# Altium PCB DM1097_R2M0E2.PcbDoc (part 4 of 7)
Units mm, origin at the board's own origin, x right, y up, seen from the top; angles counter-clockwise.
Board outline 110 x 60 mm, 6 copper layers (Top Copper, GND 1, PWR, Signal Layer 1, GND 2, Bottom Copper), stack 1.597 mm thick; 274 components, 266 nets, 1212 pads, 803 vias.
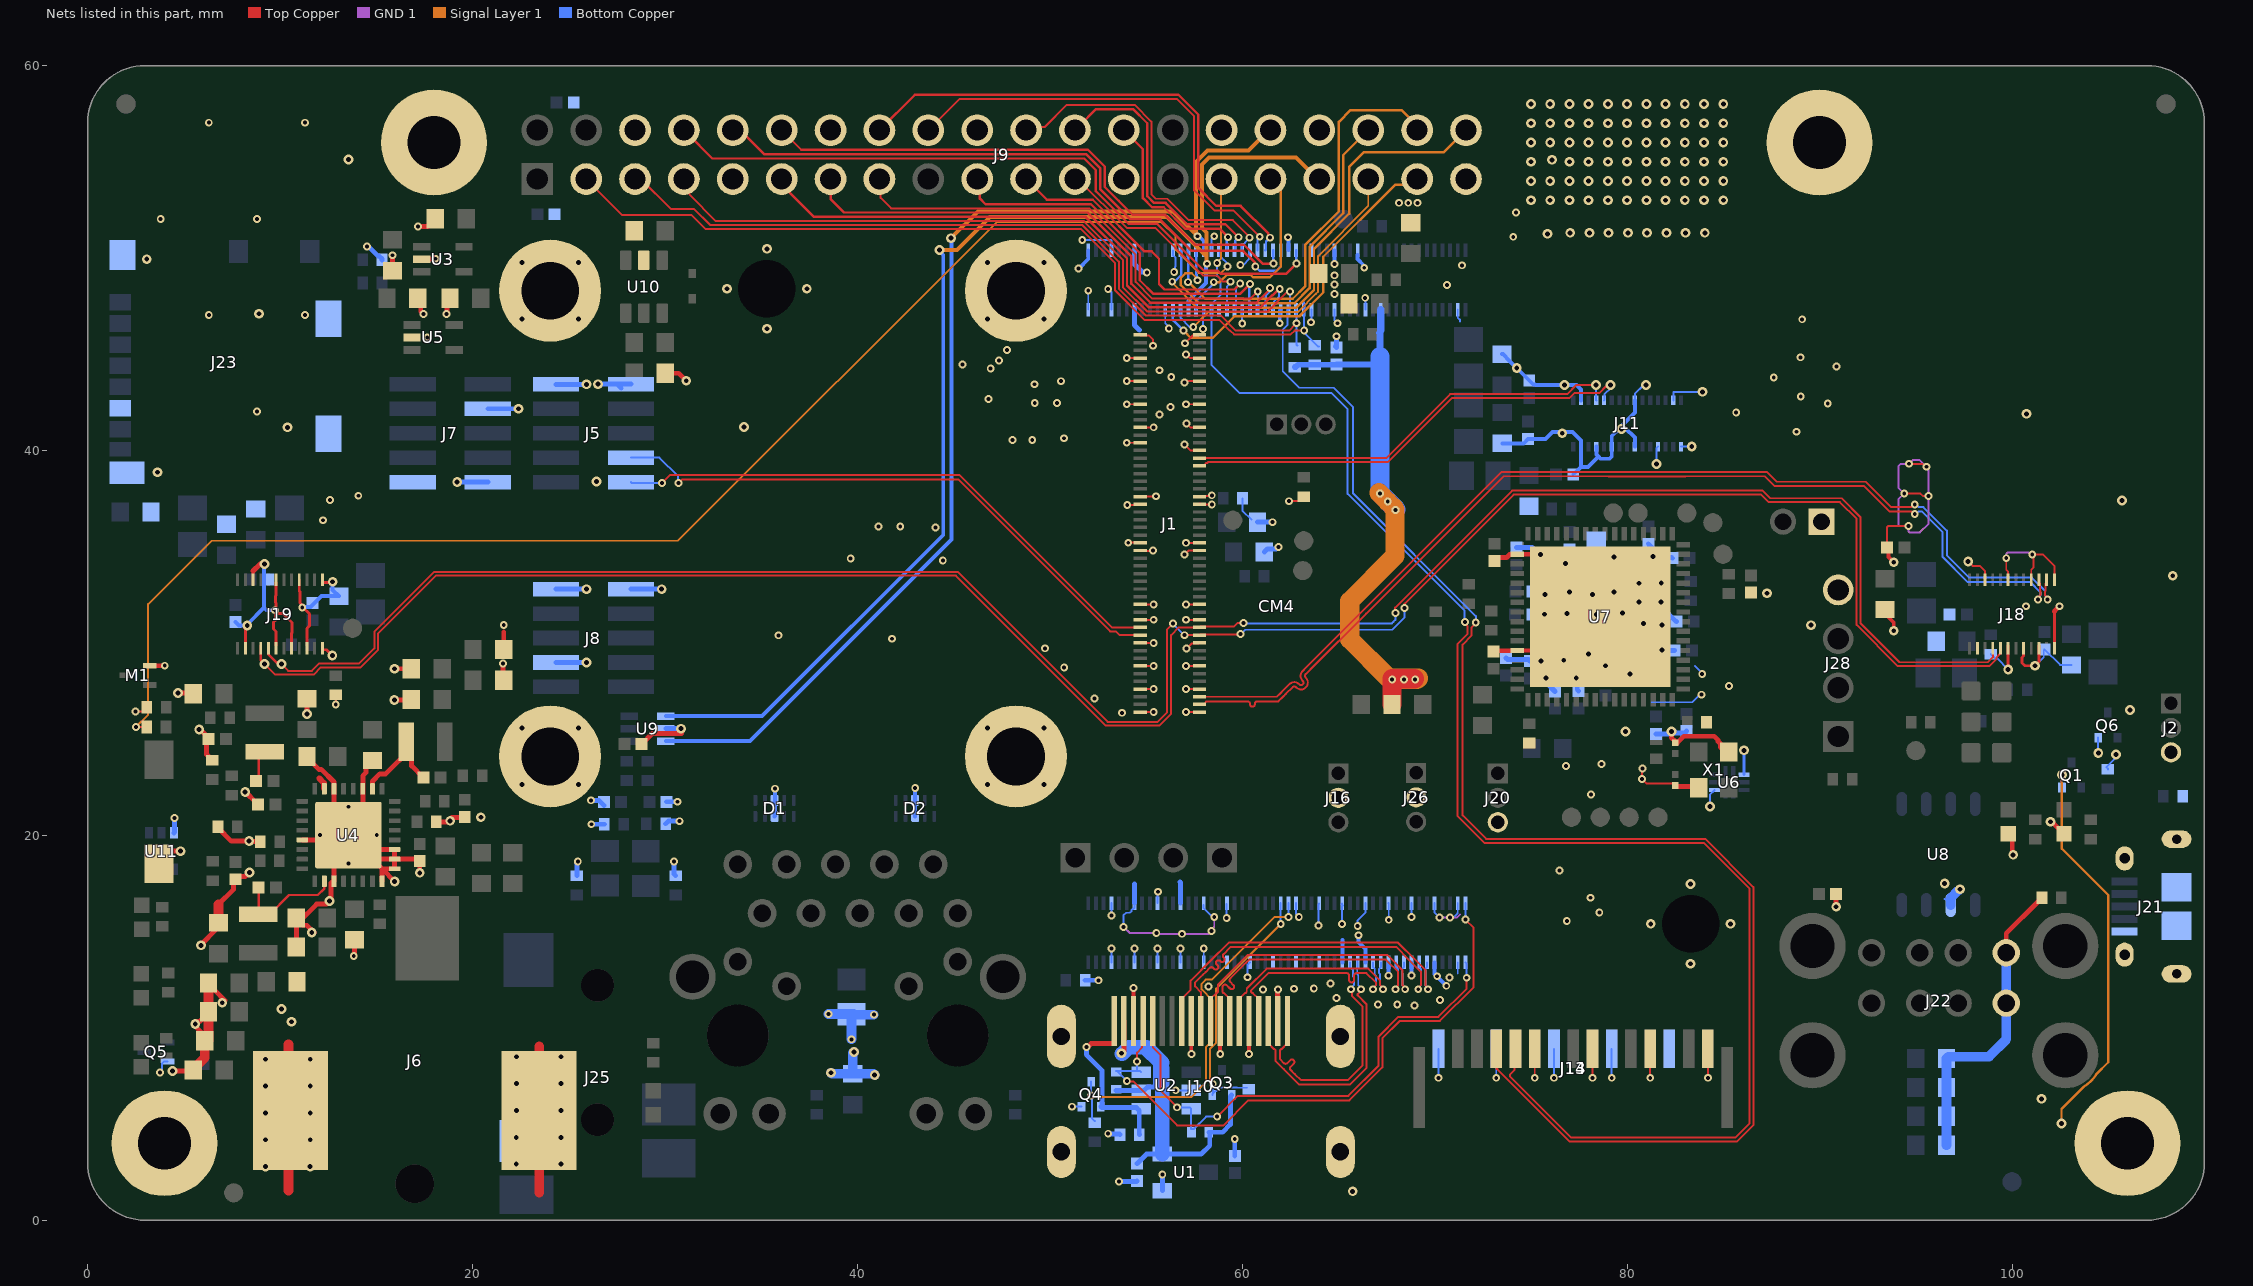
[diagram p8: the nets of this part, all layers, seen from the top]

## Via types
v1: diameter 0.406, hole 0.203, Top Copper to Bottom Copper, tented both sides, 442 vias
v2: diameter 0.508, hole 0.254, Top Copper to Bottom Copper, tented both sides, 361 vias

## Nets (pads, with @x,y where several pads share a name; then routed paths per layer and width w, separated by ;. In a path a pad name is that pad's centre, name@x,y a point inside that pad or via, vN(x,y) a via of type N, cw(c..) or ccw(c..) an arc to the next point about the centre after c; other vN are vias at no path point) (continued)
GND: B1.1 C6.1 C7.1 C8.1 C9.1 C10.1 C11.1 C12.1 C13.1 C14.1 C15.1 C16.1 C17.1 C18.2 C19.2 C20.2 C21.1 C22.1 C23.1 C24.1 C25.1 C27.2 C29.1 C30.2 C31.1 C32.1 C33.1 C34.1 C35.1 C36.1 C37.1 C38.1 C39.2 C40.1 C41.2 C42.2 C43.2 C44.1 C45.2 C47.2 C48.2 C49.2 C50.1 C51.2 C52.2 C54.2 C55.2 C56.2 C57.2 C58.1 C59.2 C60.2 C61.1 C62.1 C63.1 C64.1 C65.1 C66.1 C67.1 C68.1 C69.1 C70.1 C71.1 C72.1 C73.1 C74.1 C75.1 C76.1 C77.1 C78.1 C79.2 C80.2 C81.2 C82.2 C83.1 C84.1 C85.1 C86.1 C87.1 C89.2 C91.2 C92.2 C94.1 C95.1 C97.1 C126.2 C127.2 CM4.1 CM4.2 CM4.7 CM4.8 CM4.13 CM4.14 CM4.22 CM4.23 CM4.32 CM4.33 CM4.42 CM4.43 CM4.52 CM4.53 CM4.59 CM4.60 CM4.65 CM4.66 CM4.71 CM4.74 CM4.98 CM4.107 CM4.108 CM4.113 CM4.114 CM4.119 CM4.120 CM4.125 CM4.126 CM4.131 CM4.132 CM4.137 CM4.138 CM4.144 CM4.150 CM4.155 CM4.156 CM4.161 CM4.162 CM4.167 CM4.168 CM4.173 CM4.174 CM4.179 CM4.180 CM4.185 CM4.186 CM4.191 CM4.192 CM4.197 CM4.198 D1.3 D1.8 D2.3 D2.8 D10.1 D11.1 J1.1 J1.2 J1.7 J1.8 J1.13 J1.14 J1.19 J1.20 J1.25 J1.26 J1.30 J1.31 J1.43 J1.44 J1.45 J1.46 J1.55 J1.56 J1.57 J1.58 J1.71 J1.72 J1.75 J1.76 J1.81 J1.82 J1.87 J1.88 J1.93 J1.94 J1.99 J1.100 J2.3 J5.9 J5.10 J6.2 J6.3 J7.3 J7.9 J7.10 J8.3 J8.9 J8.10 J9.6 J9.9 J9.14 J9.20 J9.25 J9.30 J9.34 J9.39 J10.2 J10.5 J10.8 J10.11 J10.17 J10.20 J10.21 J10.22 J10.23 J11.1 J11.4 J11.7 J11.10 J11.12 J11.14 J11.17 J11.24 J11.29 J13.P3 J13.P6 J13.P9 J13.P12 J13.P15 J14.P6 J14.P9 J14.P12 J14.P15 J15.P1 J16.2 J18.3 J18.6 J18.9 J18.12 J18.13 J18.15 J18.17 J18.19 J18.23 J19.3 J19.6 J19.9 J19.12 J19.13 J19.15 J19.17 J19.19 J19.23 J20.3 J21.5 J21.6 J21.7 J21.8 J21.9 J21.10 J21.11 J22.4 J22.8 J23.6 J23.11 J23.12 J23.13 J23.14 J25.4 J26.2 J28.4 M1.2 MTG1.1 MTG2.1 MTG3.1 MTG4.1 MTG5.1 MTG6.1 MTG7.1 MTG8.1 MTG9.1 MTG10.1 Q1.2 Q4.2 Q5.2 Q6.2 R2.1 R7.1 R9.1 R11.1 R15.1 R21.1 R25.1 R28.2 R33.2 R35.2 R39.1 R42.1 R43.1 R44.1 R48.1 R53.1 R61.1 R64.1 R69.1 R70.1 R72.1 R73.1 R75.1 U1.1 U2.2 U3.2 U4. U4.1 U4.2 U4.3 U4.11 U4.14 U4.21 U4.27 U4.32 U4.33 U5.2 U6.3 U6.8 U7.34 U7.44 U7.65 U8.6 U9.2 U10.2 U11.3 X1.2 X1.4 | length 387.6
  Top Copper w0.102: v1(2.486,26.442) 3.031,26.442 R75.1@3.081,26.492 ; v2@4.588,27.214 4.774,27.4 v2(4.7,27.4) ; v1(12.9,26.8) R35.2@12.9,27.3 ; R35.2@12.95,27.3 R35.2@13.174,27.076 ; v1(54,40.4) J1.30@54.7,40.4 ; v1(54,42.4) J1.20@54.7,42.4 ; v1(54,43.6) J1.14@54.7,43.6 ; v1(54,44.8) J1.8@54.7,44.8 ; v1(54.026,37.16) 54.66,37.16 J1.46@54.7,37.2 ; v1(54.077,35.204) 54.696,35.204 J1.56@54.7,35.2 ; J1.100@54.7,26.4 v1(55.4,26.4) ; J1.94@54.7,27.6 v1(55.4,27.6) ; J1.88@54.7,28.8 v1(55.4,28.8) ; J1.82@54.7,30 v1(55.4,30) ; J1.76@54.7,31.2 v1(55.4,31.2) ; J1.72@54.7,32 v1(55.4,32) ; J1.58@54.7,34.8 54.726,34.774 55.348,34.774 v1(55.372,34.798) ; J1.44@54.7,37.6 54.717,37.617 v1(55.524,37.617) ; J1.26@54.7,41.2 v1(55.4,41.2) ; J1.2@54.7,46 54.717,45.983 55.135,45.983 55.372,45.745 v1(55.372,45.441) ; v1(56.998,43.536) 57.08,43.536 57.144,43.6 J1.13@57.78,43.6 ; v1(57,34.6) 57.012,34.6 57.212,34.8 J1.57@57.78,34.8 ; v1(57,40.3) 57.3,40 J1.31@57.78,40 ; v1(57.023,45.568) 57.416,45.961 57.741,45.961 J1.1@57.78,46 ; v1(57.074,44.983) 57.1,44.983 57.278,44.806 57.774,44.806 J1.7@57.78,44.8 ; v1(57.08,26.4) J1.99@57.78,26.4 ; v1(57.08,27.6) J1.93@57.78,27.6 ; v1(57.08,28.8) J1.87@57.78,28.8 ; v1(57.08,31.2) J1.75@57.78,31.2 ; v1(57.08,32) J1.71@57.78,32 ; v1(57.08,35.2) J1.55@57.78,35.2 ; v1(57.08,42.4) J1.19@57.78,42.4 ; v1(57.1,29.7) 57.364,29.964 57.744,29.964 J1.81@57.78,30 ; v1(57.1,41.4) 57.3,41.2 J1.25@57.78,41.2 ; J1.45@57.78,37.2 57.816,37.236 57.867,37.186 v1(58.42,37.186) ; J1.43@57.78,37.6 57.804,37.624 58.376,37.624 v1(58.42,37.668) ; v1(62.433,37.363) R28.2@62.986,37.363 ; v1(75.2,7.4) J14.P6@75.2,8.9 ; U7.65@75.36,29.606 77.132,31.378 U7.65@78.622,31.378 ; v1(78.2,7.4) J14.P9@78.2,8.9 ; v1@80.775,22.885 v1(80.775,22.924) ; v1@80.775,23.269 v1(80.775,22.924) ; v1(81.2,7.4) J14.P12@81.2,8.9 ; C86.1@82.5,22.54 82.34,22.7 80.999,22.7 v1(80.775,22.924) ; v1(84.2,7.4) J14.P15@84.2,8.9 ; C32.1@93.509,34.966 93.509,36.016 93.569,36.075 v1(94.621,36.075) ; v1(94.4,37.759) 95.244,37.759 95.365,37.637 95.659,37.637 v1(95.661,37.634) ; v1(94.64,39.306) 95.341,39.306 95.497,39.15 v1(95.553,39.15) ; v2(97.722,34.23) 97.952,34 98.315,34 98.6,33.715 J18.3@98.6,33.275 J18.3@98.6,33.14 ; v1(99.7,34.4) 99.7,33.8 99.8,33.7 J18.6@99.8,33.275 J18.6@99.8,33.14 ; J18.9@101,33.14 J18.9@101,33.275 101,33.812 101.117,33.929 101.117,34.373 101.107,34.383 101.107,34.527 v1(101.049,34.585) 101.615,34.585 102.2,34 J18.12@102.2,33.14
  Top Copper w0.127: R44.1@74.9,24.785 R44.1@74.913,24.799
  Top Copper w0.152: J19.23@8.2,29.86 v2@8.2,30.8 ; J19.3@8.6,33.14 J19.3@8.6,33.275 8.6,33.734 ; v1@9.741,31.543 9.763,31.52 9.763,31.174 9.668,31.079 9.668,30.721 9.8,30.589 J19.19@9.8,29.86 ; J19.6@9.8,33.14 9.8,32.462 9.765,32.427 9.765,32.111 9.8,32.076 9.8,31.753 v1(9.741,31.694) 9.763,31.672 9.763,31.537 10.139,31.537 10.617,31.058 10.617,30.517 10.6,30.5 J19.17@10.6,29.86 ; J19.9@11,33.275 11,32.7 11.039,32.661 11.039,32.07 11.19,31.918 11.157,31.885 v1(11.157,31.841) 11.199,31.841 11.532,31.508 11.532,30.888 11.4,30.756 J19.15@11.4,29.86 ; J19.12@12.2,33.14 v2@12.704,33.14 ; J19.13@12.201,29.644 12.414,29.644 v2(12.722,29.337) ; v2(99.8,28.615) J18.19@99.8,29.725 J18.19@99.8,29.86 ; J18.17@100.6,29.86 100.6,29.325 100.521,29.246 100.521,28.959 100.67,28.81 v2(101.2,28.81) 101.2,28.819 101.4,29.019 J18.15@101.4,29.725 J18.15@101.4,29.86 ; J18.13@102.2,29.86 102.2,31.637
  Top Copper w0.203: v2@12.704,33.14 v2(12.738,33.174) ; J10.17@54.348,10.352 v1@54.348,12.059 ; v1@57.352,8.641 J10.11@57.352,10.348 ; J10.8@58.85,10.35 58.855,10.345 58.855,8.638 v1(58.859,8.633) ; J10.5@60.352,10.348 60.352,8.641 v1(60.357,8.636) ; U7.44@74.29,29.606 U7.65@75.36,29.606 ; C33.1@93.176,31.665 93.257,31.813 93.396,32.068 C33.1@93.396,31.737 ; C33.1@93.367,31.537 93.853,31.051 v2(93.853,30.632) ; C32.1@93.509,34.966 93.572,34.903 93.572,34.47 v2(93.853,34.188)
  Top Copper w0.254: M1.2@3.226,28.814 v1(4.012,28.814) v1@4.012,28.83 ; B1.1@3.708,18.534 3.708,18.554 4.331,19.177 v2(4.826,19.177) ; v2(4.42,7.747) 5.158,7.747 5.5,8.089 5.5,7.85 C30.2@5.5,7.8 ; v2@4.774,27.4 5.453,27.4 C55.2@5.495,27.358 ; v2@5.582,10.2 5.708,10.326 5.829,10.326 6.285,10.781 C41.2@6.285,10.831 ; v2(5.6,10.2) 5.649,10.151 5.649,10.018 6.285,9.381 C45.2@6.285,9.331 ; v2(5.8,25.5) 5.852,25.5 6.295,25.057 C57.2@6.295,25 6.187,24.892 6.187,24.2 R15.1@6.487,23.9 ; v2(5.9,14.283) 5.9,14.33 6.693,15.123 6.693,15.342 C39.2@6.801,15.45 ; C42.2@6.285,12.331 6.285,12.281 6.665,11.902 6.665,11.895 v2@7.145,11.414 ; R11.1@6.78,20.439 6.78,20.389 7.469,19.7 v2(8.4,19.7) ; 6.801,16.404 7.575,17.178 7.575,17.608 C60.2@7.685,17.718 7.83,17.863 8.191,17.863 8.39,18.062 v2(8.416,18.062) ; v2(8.191,22.254) 8.208,22.254 8.765,21.697 C47.2@8.865,21.697 ; v2@8.2,30.8 v2(8.3,30.9) ; v2@8.516,19.684 8.969,19.684 R7.1@8.985,19.668 ; 8.6,33.734 8.965,34.1 v2(9.2,34.1) ; C126.2@10.85,14.2 10.85,15.372 C20.2@10.988,15.51 ; C20.2@10.85,15.699 10.85,15.649 C20.2@10.988,15.51 ; U4.21@11.155,19.762 U4.33@13.305,19.762 ; C19.2@11.4,24.1 11.4,24.05 12.02,23.43 12.144,23.43 12.805,22.769 U4.14@12.805,22.412 12.805,20.762 U4.33@13.555,20.012 ; v2(11.4,26.306) 11.4,27.05 11.375,27.075 C54.2@11.4,27.1 ; v2(11.65,14.949) 11.776,14.949 11.401,15.326 11.173,15.326 C20.2@10.988,15.51 ; v1(13.835,13.734) 13.868,13.767 C127.2@13.868,14.592 ; C27.2@14.805,23.89 14.786,23.89 14.463,23.567 14.463,23.251 14.305,23.093 U4.11@14.305,22.412 14.305,21.166 13.555,20.416 U4.33@13.555,20.012 ; U4.32@15.305,17.612 15.305,18.262 ; v1(15.85,50.14) C21.1@15.85,49.34 C21.1@15.9,49.34 ; v2(15.942,27.025) C52.2@16.824,27.025 ; v2(15.946,28.654) C48.2@16.828,28.654 ; v2@15.971,17.597 15.305,18.262 ; C24.1@17.158,47.904 17.317,47.745 17.317,47.224 v1(17.45,47.092) ; v1(17.17,51.638) 17.666,51.638 C22.1@18.072,52.045 ; v2(17.263,18.051) C18.2@17.263,18.659 17.16,18.762 U4.2@15.955,18.762 ; U3.2@17.266,49.936 U3.2@17.366,49.936 18.059,49.936 v1(18.085,49.962) ; R9.1@18.122,20.697 18.786,20.697 v2(18.843,20.754) 18.9,20.811 18.9,20.9 18.925,20.925 C59.2@19.575,20.925 ; v1(18.659,47.092) 18.674,47.107 18.674,47.745 C25.1@18.834,47.904 ; v1@21.581,28.886 21.581,28.1 C49.2@21.628,28.054 ; C51.2@21.628,29.654 21.628,30.567 ; C95.1@28.796,24.74 29.355,25.298 v2@30.868,25.298 ; C23.1@30.012,44.009 30.722,44.009 v2(31.11,43.621) ; J10.2@61.826,11.344 61.826,11.963 v1(61.854,11.991) ; C89.2@63.878,49.292 C89.2@63.97,49.2 ; C63.1@73.05,29.556 73.087,29.593 74.277,29.593 U7.44@74.29,29.606 ; C56.2@73.1,34.25 73.283,34.433 73.733,34.433 73.893,34.593 74.277,34.593 U7.34@74.29,34.606 75.441,34.606 75.447,34.6 v2(75.5,34.6) ; v2(82.3,25.4) 82.433,25.4 82.434,25.399 82.3,25.265 82.3,25.08 82.5,24.88 C85.1@82.5,24.86 ; C86.1@82.5,22.59 82.5,22.54 83.797,22.54 X1.2@83.839,22.498 ; C85.1@82.583,24.78 82.952,25.148 84.525,25.148 84.727,24.946 84.727,24.873 84.851,24.749 84.851,24.586 X1.4@85.139,24.298 ; v2(90.862,16.29) C83.1@90.862,16.955 ; J22.4@99.7,13.9 99.7,14.903 101.358,16.562 101.408,16.562 101.556,16.71 R48.1@101.556,16.76 ; D11.1@99.8,19.95 100.012,19.738 100.012,19.036 v2(100.061,18.988) ; v2(102,20.706) 102.048,20.658 102.117,20.658 D10.1@102.7,20.075 ; 102.2,31.637 v1(102.464,31.901) ; C20.2@10.988,15.51 11.905,16.427 12.419,16.427 v2(12.576,16.583) 12.659,16.667 12.659,17.513 12.758,17.612 U4.27@12.805,17.612 12.805,19.262 U4.33@13.305,19.762 ; U4.33@13.305,19.762 U4.33@13.555,20.012 ; U4.33@13.555,20.012 U4.33@14.305,19.262 ; U4.33@14.305,19.262 U4.3@15.955,19.262 U4.2@15.955,18.762 ; U4.33@14.305,19.262 U4.33@14.805,18.762 ; U4.33@14.805,18.762 U4.2@15.955,18.762 ; U4.33@14.805,18.762 15.305,18.262 ; 15.305,18.262 U4.1@15.955,18.262 U4.2@15.955,18.762
  Top Copper w0.508: C30.2@5.5,7.85 6.089,8.439 6.089,9.135 C45.2@6.285,9.331 ; C45.2@6.285,9.381 C41.2@6.285,10.781 ; C41.2@6.285,10.831 C42.2@6.285,12.281 ; C39.2@6.801,15.45 6.801,16.404 ; 10.439,1.549 10.439,9.144 J6.2@10.439,5.7 ; 23.47,1.448 23.47,9.042 J6.3@23.47,5.7
  GND 1 w0.102: v1(53.828,15.243) 54.143,14.927 v1(55.535,14.927) 55.535,14.883 v1(56.864,14.883) 58.395,14.883 v1(58.395,15.021) 58.395,15.103 58.547,15.255 v1(58.547,15.748) ; v1(70.247,15.73) 70.255,15.723 v1(70.788,15.723) 71.153,15.723 71.318,15.888 ; v1(99.7,34.4) 99.705,34.405 99.705,34.635 99.764,34.695 100.857,34.695 100.966,34.585 v1(101.049,34.585) ; 94.095,36.135 94.095,37.454 v1(94.4,37.759) 94.095,38.064 94.095,39.178 94.222,39.306 v1(94.64,39.306) 94.699,39.364 94.716,39.364 94.852,39.5 95.203,39.5 v1(95.553,39.15) 95.553,39.068 95.661,38.959 v1(95.661,37.634) 95.661,36.19 95.213,35.742 94.67,35.742 94.629,35.783 94.629,36.067 v1(94.621,36.075) 94.154,36.075 94.095,36.135
  Signal Layer 1 w0.127: v2(102.57,5.02) 102.57,5.777 103.742,6.949 ccw(c102.77,8.57) 104.391,7.598 105,8.207 105,16.9 102.594,19.306 v2(102.594,23.142)
  Bottom Copper w0.102: v1(3.759,7.671) 3.865,7.776 3.865,8.142 3.964,8.241 Q5.2@4.169,8.241 ; v1(51.148,5.9) Q4.2@51.65,5.9 ; v1(51.689,50.927) 53.172,50.927 53.2,50.899 CM4.7@53.2,50.4 ; CM4.2@52,47.32 52,48.1 v1(52,48.3) ; v1(53.035,48.387) 53.2,48.222 CM4.8@53.2,47.32 ; v1@53.185,14.106 v1(53.2,14.121) CM4.108@53.2,13.4 ; v1(53.2,15.837) CM4.107@53.2,16.48 ; v1(53.828,15.243) 53.828,15.841 53.964,15.978 54.163,15.978 54.252,16.067 54.252,16.121 54.312,16.181 54.351,16.181 54.4,16.23 CM4.113@54.4,16.48 ; v1@54.385,14.106 v1(54.4,14.121) CM4.114@54.4,13.4 ; CM4.14@54.4,47.32 54.449,47.271 54.449,46.851 ; v1@55.585,14.106 v1(55.6,14.121) CM4.120@55.6,13.4 ; CM4.119@55.6,16.48 55.6,17.043 v1(55.626,17.069) ; CM4.22@56,47.32 56,46.616 56.185,46.431 v1(56.185,46.33) ; CM4.23@56.4,50.4 56.4,50.15 56.54,50.01 56.54,49.561 56.51,49.53 56.51,49.322 v1(56.464,49.276) ; v1(56.547,6.75) U2.2@57.35,6.75 ; v1@56.785,14.106 v1(56.8,14.121) CM4.126@56.8,13.4 ; 56.8,17.546 56.8,17.582 ; v1(57.963,46.304) 57.963,47.283 CM4.32@58,47.32 CM4.32@57.969,47.351 ; v1@57.985,14.106 v1(58,14.121) CM4.132@58,13.4 ; CM4.131@57.999,16.378 57.999,16.216 v1@58.466,15.748 ; CM4.33@58.4,50.4 58.4,50.983 v1(58.547,51.13) ; v1@58.461,15.748 v1@58.466,15.748 ; v1(58.547,15.748) v1@58.466,15.748 ; CM4.137@59.193,16.429 v1(59.193,15.708) v1@59.207,15.723 ; v1@59.944,49.657 60.071,49.657 60.351,49.937 60.351,50.351 CM4.43@60.4,50.4 ; v1(60,46.6) CM4.42@60,47.32 ; R42.1@60.012,37.516 60.012,36.875 C78.1@60.489,36.398 ; CM4.144@60.4,13.4 60.281,13.281 v1(60.281,12.624) 60.345,12.624 v1@60.415,12.694 ; CM4.155@62.8,16.48 62.8,15.915 62.941,15.773 v1(62.941,15.759) v1@62.952,15.759 ; v1(63.577,46.661) 63.6,46.684 CM4.60@63.6,47.32 ; 63.957,15.698 v1(63.957,15.316) 63.957,16.419 CM4.161@63.993,16.455 ; CM4.66@64.8,47.32 64.8,46.757 v1(64.948,46.609) ; 65.176,15.672 v1(65.176,15.392) 65.176,16.292 65.227,16.342 65.151,16.419 CM4.167@65.187,16.455 ; v1(66,15.293) 66,15.577 66.4,15.978 CM4.173@66.4,16.48 ; v1(66.39,47.93) 66.4,47.92 CM4.74@66.4,47.32 ; CM4.179@67.6,16.48 67.615,16.465 v1(67.615,15.609) v1@67.615,15.774 ; v1@68.786,15.773 v1(68.8,15.759) CM4.185@68.8,16.48 ; CM4.191@70,16.48 70,15.977 v1(70.247,15.73) ; v1(70.2,7.4) J13.P15@70.2,8.9 ; v1(70.788,15.723) 70.964,15.723 71.2,15.958 CM4.197@71.2,16.48 ; 71.173,15.974 71.196,15.951 ; 71.2,12.825 CM4.198@71.2,13.4 ; CM4.98@71.2,47.32 71.2,46.9 71.323,46.777 71.323,46.711 ; v1(73.2,7.4) J13.P12@73.2,8.9 ; v1(76.2,7.4) J13.P9@76.2,8.9 ; v1(79.2,7.4) J13.P6@79.2,8.9 ; J11.24@80.4,42.6 80.4,42.946 80.854,43.4 v2(80.985,43.4) ; 81.257,26.915 83.384,26.915 83.67,27.201 83.672,27.201 83.78,27.308 v1(83.862,27.308) ; v2(81.533,39.29) 81.533,40.133 J11.4@81.6,40.2 ; J11.29@82.4,42.6 82.4,43.02 82.425,43.045 v2(83.912,43.045) ; J11.1@82.8,40.2 v2(83.36,40.2) ; 83.538,28.795 83.9,28.433 v1(83.9,28.389) ; v2(84.3,21.5) 84.3,22.113 U6.8@84.541,22.354 ; 96.5,16.699 U8.6@96.816,16.382 ; R33.2@98.9,29.416 99.124,29.191 99.224,29.191 v2(99.8,28.615) ; v2(101.2,28.81) 101.649,29.259 101.649,29.625 C34.1@101.685,29.662 102.495,28.852 C35.1@103.094,28.852 ; Q1.2@102.594,22.428 Q1.2@102.594,22.478 Q1.2@102.594,22.483 ; Q6.2@104.477,25.08 Q6.2@104.477,25.075 104.477,24.288 v2(104.484,24.281) ; R2.1@104.977,23.425 105,23.447 104.9,23.547 105.406,24.054 v2(105.406,24.2)
  Bottom Copper w0.127: Q1.2@102.594,22.483 v2(102.594,23.142)
  Bottom Copper w0.152: U6.3@86.078,23.154 v2(86.078,24.418)
  Bottom Copper w0.203: C38.1@7.685,31.079 7.864,30.9 8.165,30.9 v2@8.2,30.865 ; v2(8.3,30.9) 8.3,30.965 9.168,31.833 ; v2(9.2,34.1) 9.168,34.068 9.168,31.833 ; v1(9.741,31.694) 9.307,31.694 9.168,31.833 ; v1(11.157,31.841) 11.184,31.868 11.592,31.868 12.15,32.426 C50.1@13.066,32.426 12.738,32.754 v2(12.738,33.174) ; D1.8@35.7,20.983 35.728,21.01 35.714,21.024 35.714,22.409 v1(35.728,22.423) ; D2.8@43,20.983 43.007,20.99 43.004,20.993 43.004,22.463 v1(43.007,22.466) ; v1(51.485,49.46) 51.515,49.46 52,49.945 CM4.1@52,50.4 ; v1(61.951,46.609) 61.951,47.271 CM4.52@62,47.32 ; v1(62.382,51.079) 62.399,51.063 62.399,50.402 CM4.53@62.4,50.4 ; v1(64.795,49.682) 64.795,50.395 CM4.65@64.8,50.4 ; CM4.168@65.2,13.4 65.2,14.553 ; CM4.71@66,50.152 66,49.936 66.341,49.595 v1(66.341,49.493) ; v1(66.04,14.808) 66.04,14.462 66.4,14.102 CM4.174@66.4,13.4 ; v1(67.6,12.707) CM4.180@67.6,13.4 ; v1(68.8,12.716) CM4.186@68.8,13.4 ; CM4.192@70,13.4 70,12.784 v1(70.604,12.179) ; C17.1@73.5,45 73.55,45 73.898,44.652 73.898,44.65 C16.1@74.913,43.635 75.122,43.427 75.214,43.427 75.241,43.4 v2(76.745,43.4) 77.375,43.4 77.6,43.175 J11.17@77.6,42.6 ; C15.1@73.512,40.369 74.629,40.369 C14.1@74.855,40.595 75.767,40.595 76.123,40.95 77.163,40.95 77.6,40.513 J11.14@77.6,40.2 77.6,39.144 ; v2(76.796,34.131) 77.191,34.526 77.191,34.85 C58.1@77.206,34.865 ; C12.1@77.201,38.746 77.6,39.144 ; J11.12@78.4,40.2 78.4,39.787 78.509,39.678 ; J11.7@80.4,40.2 80.4,40.665 79.896,41.169 79.603,41.169 v2@79.6,41.172 ; J11.24@80.4,42.6 80.4,41.972 v2@79.6,41.172 ; 77.6,39.144 77.976,39.144 78.509,39.678 ; 78.509,39.678 78.618,39.569 79.09,39.569 79.2,39.679 J11.10@79.2,40.2 79.2,40.745 79.6,41.145 v2@79.6,41.172
  Bottom Copper w0.254: U11.3@4.485,20.127 4.521,20.163 v1(4.521,20.904) ; v2(5.8,25.5) v2@5.852,25.5 ; v2(8.191,22.254) 8.191,22.247 v2@8.319,22.119 ; v1(14.529,50.597) 14.558,50.568 14.632,50.568 15.102,50.098 15.152,50.098 15.3,49.95 R53.1@15.3,49.9 ; v2(19.206,38.354) J7.9@20.8,38.354 ; J7.3@20.8,42.164 v2(22.394,42.164) ; J8.3@24.339,28.981 v2(25.933,28.981) ; J8.9@24.339,32.791 v2(25.933,32.791) ; J5.9@24.339,43.434 v2(25.933,43.434) ; R73.1@25.425,17.899 25.425,18.593 v1(25.476,18.644) ; v1(26.162,21.819) 26.571,21.819 C97.1@26.83,21.56 ; v1(26.178,20.574) R72.1@26.856,20.574 ; v2(26.522,43.443) J5.10@28.23,43.443 ; J5.10@27.519,43.443 J5.10@27.733,43.229 ; J8.10@28.239,32.791 v2(29.833,32.791) ; R70.1@30.04,20.599 30.175,20.735 v1(30.762,20.735) ; U9.2@30.048,25.542 v2(30.842,25.542) ; C94.1@30.092,21.742 v1(30.658,21.742) ; v1(30.48,18.644) 30.48,17.975 R69.1@30.556,17.899 ; R64.1@51.833,12.471 51.836,12.469 52.531,12.469 v1(52.533,12.467) v1@52.538,12.467 ; v1(53.035,4.496) 53.061,4.47 53.625,4.47 R61.1@53.65,4.445 ; v1(53.594,2.007) 54.501,2.007 C11.1@54.534,2.039 ; CM4.113@54.4,16.48 54.4,17.468 ; CM4.14@54.4,47.32 54.4,46.514 54.661,46.253 ; CM4.13@54.4,50.4 54.4,49.677 54.797,49.28 55.013,49.28 v1(55.042,49.251) ; U1.1@55.848,1.539 v1(55.848,2.381) ; 56.769,17.577 56.8,17.546 CM4.125@56.8,16.48 ; C10.1@59.614,3.346 v1(59.614,4.214) ; C78.1@60.795,36.271 v1(61.57,36.271) ; C77.1@61.15,34.722 61.311,34.882 61.771,34.882 61.864,34.976 v1(61.887,34.976) ; v1(64.894,45.932) 64.894,45.454 64.847,45.407 C6.1@64.897,45.357 ; C75.1@73.705,29.216 73.788,29.133 74.867,29.133 C71.1@74.95,29.05 74.957,29.057 v2@75.527,29.057 ; C73.1@74.256,34.96 75.071,34.96 75.431,34.6 v2(75.5,34.6) ; C62.1@75.085,31.466 75.096,31.477 75.691,31.477 v2(75.702,31.488) ; C64.1@75.094,32.664 75.192,32.566 75.684,32.566 v2(75.732,32.518) ; v2(75.778,28.178) 75.827,28.129 75.827,27.902 C70.1@76.253,27.476 ; v2(77.359,28.178) 77.408,28.129 77.408,27.565 C69.1@77.483,27.49 ; C65.1@78.869,28.156 78.871,28.157 v2(78.872,28.813) v2(78.872,28.813) ; C61.1@81.1,35.15 81.283,34.967 81.283,34.615 81.341,34.556 v2(81.341,34.488) 81.385,34.444 82.306,34.444 C74.1@82.35,34.4 ; C76.1@81.49,25.275 82.252,25.275 v2@82.29,25.313 ; v2(81.762,32.128) 81.811,32.079 81.811,31.857 C68.1@82.563,31.106 ; v2(81.821,29.622) 81.83,29.614 82.452,29.614 C66.1@82.46,29.606 ; v2(82.3,25.4) v2@82.377,25.4 ; v2@82.434,25.457 v2@82.377,25.4 ; C67.1@83.089,25.415 82.987,25.313 v2@82.29,25.313 ; v2@82.29,25.313 v2@82.377,25.4
  Bottom Copper w0.5: U8.6@96.816,16.382 96.816,16.746 v2@97.2,17.13
  Bottom Copper w0.508: v1(38.496,10.711) C7.1@39.796,10.711 ; v2(38.631,7.663) 38.687,7.607 R21.1@39.766,7.607 ; C7.1@39.558,10.681 C7.1@39.7,10.681 ; v1(39.7,9.4) C7.1@39.7,10.681 ; C7.1@39.7,10.7 C7.1@39.7,10.681 ; v2(39.822,8.743) 39.766,8.687 R21.1@39.766,7.607 ; v1(40.858,10.681) C7.1@39.7,10.681 ; v2(40.902,7.551) 40.846,7.607 R21.1@39.766,7.607 ; C79.2@96.6,3.9 C80.2@96.6,5.4 C81.2@96.6,6.9 C82.2@96.6,8.4 96.7,8.5 98.8,8.5 99.7,9.4 J22.8@99.7,11.28 J22.4@99.7,13.9